# KiCad board MiniMastermindPanel.kicad_pcb (continued)
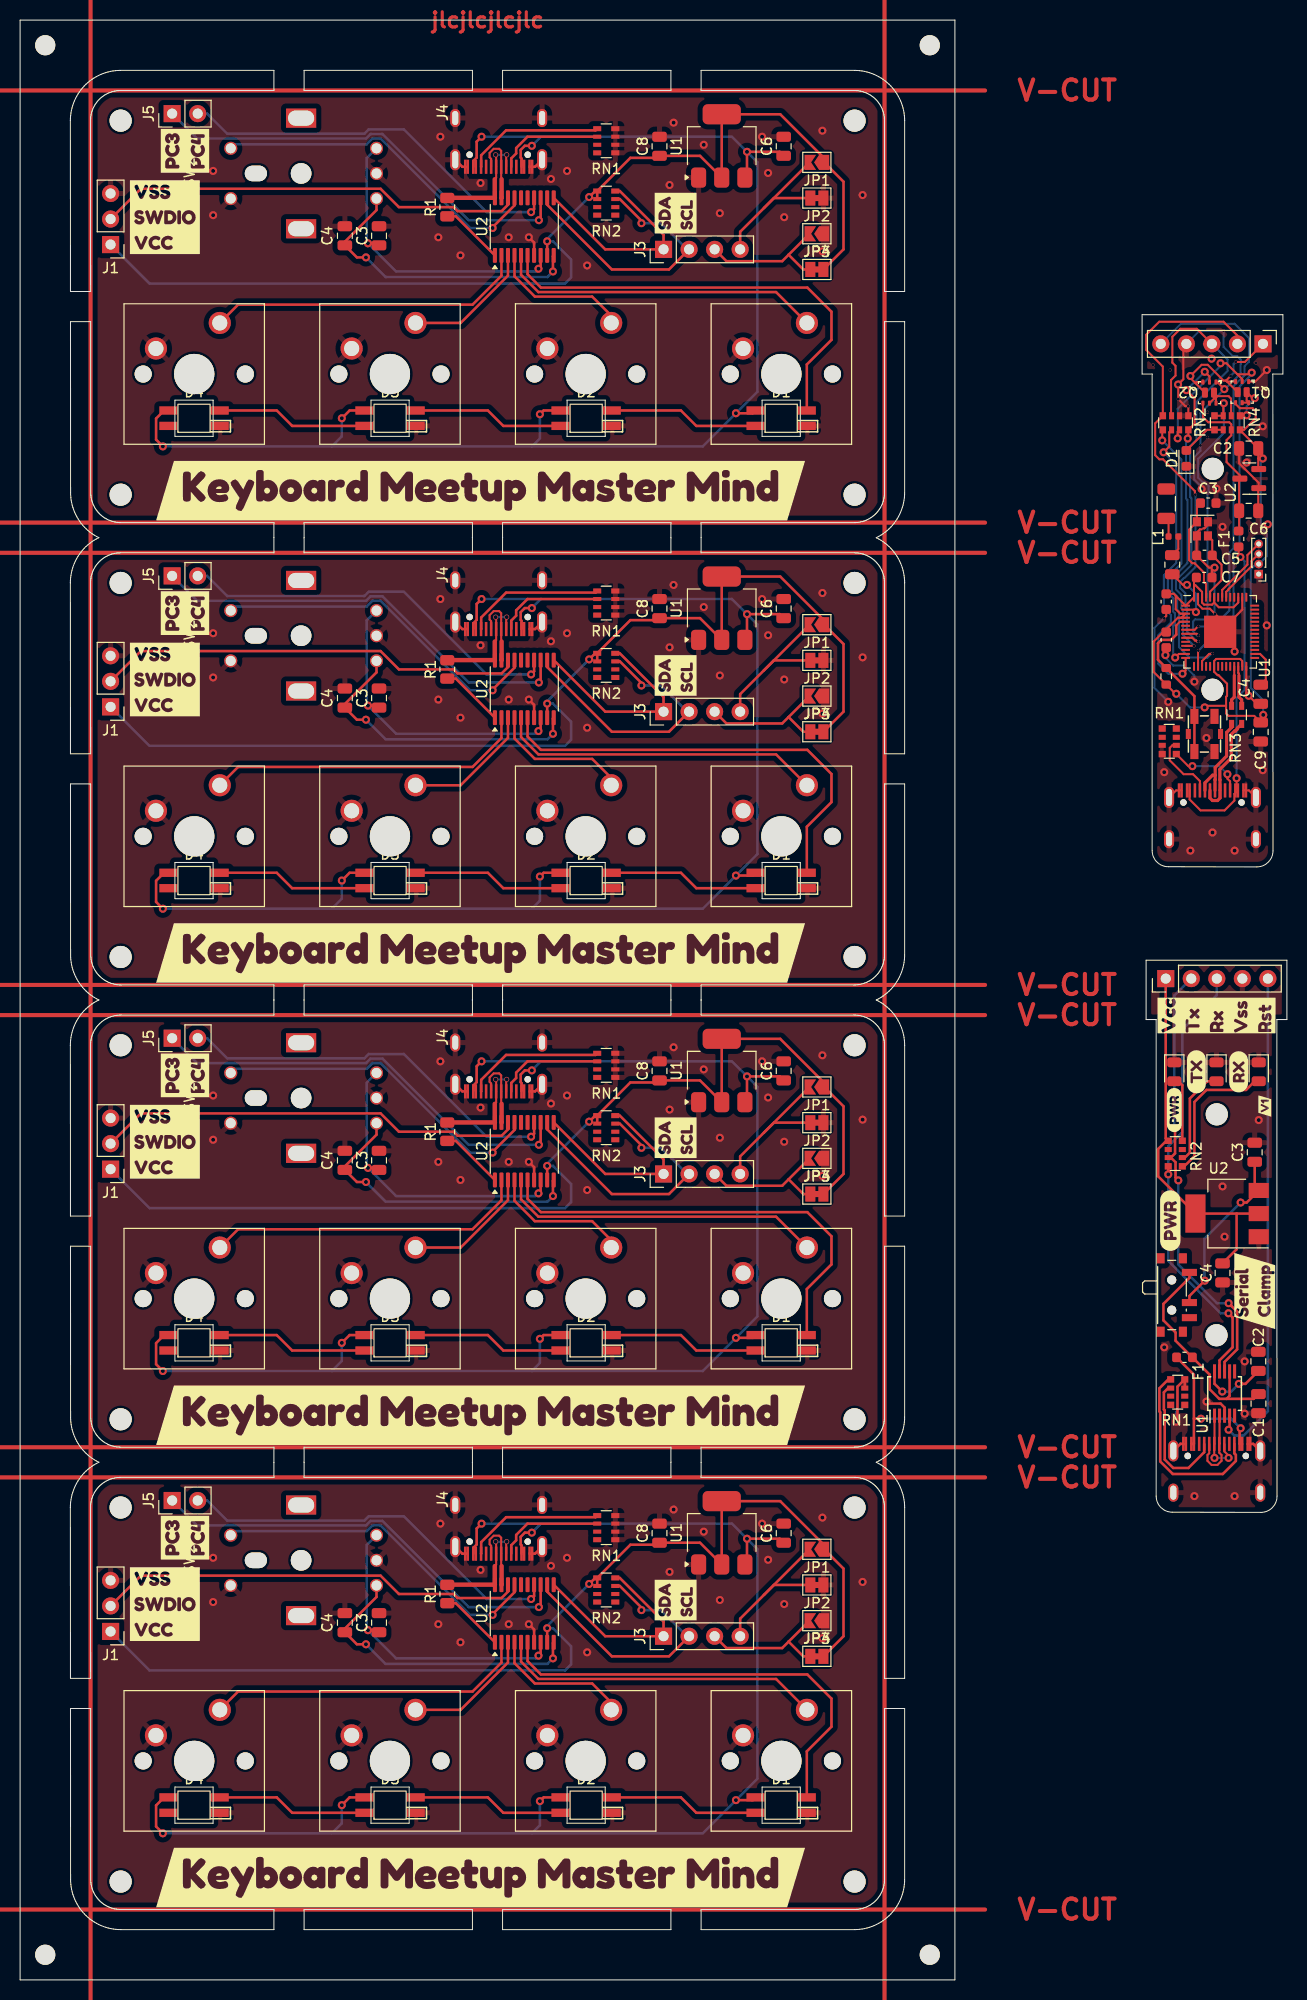
[diagram p0: board, top side]
## Nets
GND: C2.2 C3#2.1 C4#2.2 C5.1 C6#3.2 C7.2 C8#3.2 C9.2 C10.2 D1#5.1 J1#6.A1 J1#6.A12 J1#6.B1 J1#6.B12 J1#6.S1 J2.1 J4#5.4 Q1.1 Q2.1 RN1.3 RN1.4 RN2.5 RN2.6 SW2#3.1 SW2#3.2 U1#3.28 U1#3.44 U1#3.55 U1#3.57 U2#4.1 Y1.2 Y1.4
VBUS: C6#3.1 F1#2.2 Q2.4 RN4.3 U2#4.3
VCC: C4#6.1 J2#2.1 RN2#5.1 U2.2
VCC003: J4#5.1 Q1.3 Q1.8 Q2.3 Q2.8
VCCCTL3: Q1.2 RN2.3 U1#3.16
VCCCTL5: Q2.2 RN2.4 U1#3.17
VDD: C2.1 C7.1 C8#3.1 C9.1 C10.1 J2.2 Q1.4 R5.1 RN4.4 U1#3.1 U1#3.3 U1#3.4 U1#3.20 U1#3.27 U1#3.45 U1#3.51 U1#3.54 U1#3.56 U2#4.2
VSS: C1#2.2 C2#2.2 C3#3.2 C4#6.2 D1.1 D2#4.1 D3#5.1 J1#3.A1 J1#3.A12 J1#3.B1 J1#3.B12 J1#3.S1 J2#2.4 RN1#2.3 RN1#2.4 U1#6.3 U2.1
Board_0-+5V: C6#5.1 D1#2.1 D2#2.1 D3.1 D4#3.1 J4#4.A4 J4#4.A9 J4#4.B4 J4#4.B9 U1#2.3
Board_0-/RotaryA: C3#4.1 SW2#4.B U2#6.8
Board_0-/RotaryB: C4#4.2 SW2#4.A U2#6.10
Board_0-/RotaryS: SW2#4.S2 U2#6.17
Board_0-D+: J4#4.A6 J4#4.B6 U2#6.19
Board_0-D-: J4#4.A7 J4#4.B7 R1#2.2 U2#6.20
Board_0-DPU: R1#2.1 U2#6.1
Board_0-Net-(D1-DOUT): D1#2.2 D2#2.4
Board_0-Net-(D2-DOUT): D2#2.2 D3.4
Board_0-Net-(D3-DOUT): D3.2 D4#3.4
Board_0-Net-(J3-Pin_3): J3#2.3 JP3#3.2 JP4#4.1
Board_0-Net-(J3-Pin_4): J3#2.4 JP1#2.2 JP2.2
Board_0-Net-(J4-CC1): J4#4.A5 RN1#3.6
Board_0-Net-(J4-CC2): J4#4.B5 RN1#3.5
Board_0-PA1: SW5.1 U2#6.5
Board_0-PA2: D1#2.4 U2#6.6
Board_0-PC3: J5#3.1 U2#6.13
Board_0-PC4: J5#3.2 U2#6.14
Board_0-PD5: SW1#3.1 U2#6.2
Board_0-PD6: SW3#2.1 U2#6.3
Board_0-PD7: SW4#2.1 U2#6.4
Board_0-SCL: J3#2.2 RN2#3.3 U2#6.12
Board_0-SDA: J3#2.1 RN2#3.4 U2#6.11
Board_0-SWIO: J1.2 U2#6.18
Board_0-unconnected-(D4-DOUT-Pad2): D4#3.2
Board_0-unconnected-(J4-SBU1-PadA8): J4#4.A8
Board_0-unconnected-(J4-SBU2-PadB8): J4#4.B8
Board_0-unconnected-(RN1-R1.2-Pad8): RN1#3.8
Board_0-unconnected-(RN1-R2.2-Pad7): RN1#3.7
Board_0-unconnected-(RN2-R1.1-Pad1): RN2#3.1
Board_0-unconnected-(RN2-R1.2-Pad8): RN2#3.8
Board_0-unconnected-(RN2-R2.1-Pad2): RN2#3.2
Board_0-unconnected-(RN2-R2.2-Pad7): RN2#3.7
Board_0-unconnected-(U2-PC5-Pad15): U2#6.15
Board_0-unconnected-(U2-PC6-Pad16): U2#6.16
Board_0-VCC: C8#2.1 J1.1 JP1#2.1 JP4#4.2 RN2#3.5 RN2#3.6 U1#2.2 U2#6.9
Board_0-VSS: C3#4.2 C4#4.1 C6#5.2 C8#2.2 D1#2.3 D2#2.3 D3.3 D4#3.3 J1.3 J4#4.A1 J4#4.A12 J4#4.B1 J4#4.B12 J4#4.S1 JP2.1 JP3#3.1 RN1#3.1 RN1#3.2 RN1#3.3 RN1#3.4 SW1#3.2 SW2#4.C SW2#4.S1 SW3#2.2 SW4#2.2 SW5.2 U1#2.1 U2#6.7
Board_1-+5V: C6#2.1 D1#6.1 D2#3.1 D3#3.1 D4#4.1 J4#2.A4 J4#2.A9 J4#2.B4 J4#2.B9 U1#5.3
Board_1-/RotaryA: C3#5.1 SW2.B U2#3.8
Board_1-/RotaryB: C4.2 SW2.A U2#3.10
Board_1-/RotaryS: SW2.S2 U2#3.17
Board_1-D+: J4#2.A6 J4#2.B6 U2#3.19
Board_1-D-: J4#2.A7 J4#2.B7 R1#4.2 U2#3.20
Board_1-DPU: R1#4.1 U2#3.1
Board_1-Net-(D1-DOUT): D1#6.2 D2#3.4
Board_1-Net-(D2-DOUT): D2#3.2 D3#3.4
Board_1-Net-(D3-DOUT): D3#3.2 D4#4.4
Board_1-Net-(J3-Pin_3): J3#4.3 JP3#2.2 JP4#3.1
Board_1-Net-(J3-Pin_4): J3#4.4 JP1.2 JP2#4.2
Board_1-Net-(J4-CC1): J4#2.A5 RN1#6.6
Board_1-Net-(J4-CC2): J4#2.B5 RN1#6.5
Board_1-PA1: SW5#3.1 U2#3.5
Board_1-PA2: D1#6.4 U2#3.6
Board_1-PC3: J5#4.1 U2#3.13
Board_1-PC4: J5#4.2 U2#3.14
Board_1-PD5: SW1#4.1 U2#3.2
Board_1-PD6: SW3#3.1 U2#3.3
Board_1-PD7: SW4.1 U2#3.4
Board_1-SCL: J3#4.2 RN2#4.3 U2#3.12
Board_1-SDA: J3#4.1 RN2#4.4 U2#3.11
Board_1-SWIO: J1#4.2 U2#3.18
Board_1-unconnected-(D4-DOUT-Pad2): D4#4.2
Board_1-unconnected-(J4-SBU1-PadA8): J4#2.A8
Board_1-unconnected-(J4-SBU2-PadB8): J4#2.B8
Board_1-unconnected-(RN1-R1.2-Pad8): RN1#6.8
Board_1-unconnected-(RN1-R2.2-Pad7): RN1#6.7
Board_1-unconnected-(RN2-R1.1-Pad1): RN2#4.1
Board_1-unconnected-(RN2-R1.2-Pad8): RN2#4.8
Board_1-unconnected-(RN2-R2.1-Pad2): RN2#4.2
Board_1-unconnected-(RN2-R2.2-Pad7): RN2#4.7
Board_1-unconnected-(U2-PC5-Pad15): U2#3.15
Board_1-unconnected-(U2-PC6-Pad16): U2#3.16
Board_1-VCC: C8#5.1 J1#4.1 JP1.1 JP4#3.2 RN2#4.5 RN2#4.6 U1#5.2 U2#3.9
Board_1-VSS: C3#5.2 C4.1 C6#2.2 C8#5.2 D1#6.3 D2#3.3 D3#3.3 D4#4.3 J1#4.3 J4#2.A1 J4#2.A12 J4#2.B1 J4#2.B12 J4#2.S1 JP2#4.1 JP3#2.1 RN1#6.1 RN1#6.2 RN1#6.3 RN1#6.4 SW1#4.2 SW2.C SW2.S1 SW3#3.2 SW4.2 SW5#3.2 U1#5.1 U2#3.7
Board_2-+5V: C6.1 D1#4.1 D2.1 D3#4.1 D4#2.1 J4#3.A4 J4#3.A9 J4#3.B4 J4#3.B9 U1.3
Board_2-/RotaryA: C3.1 SW2#2.B U2#5.8
Board_2-/RotaryB: C4#3.2 SW2#2.A U2#5.10
Board_2-/RotaryS: SW2#2.S2 U2#5.17
Board_2-D+: J4#3.A6 J4#3.B6 U2#5.19
Board_2-D-: J4#3.A7 J4#3.B7 R1#3.2 U2#5.20
Board_2-DPU: R1#3.1 U2#5.1
Board_2-Net-(D1-DOUT): D1#4.2 D2.4
Board_2-Net-(D2-DOUT): D2.2 D3#4.4
Board_2-Net-(D3-DOUT): D3#4.2 D4#2.4
Board_2-Net-(J3-Pin_3): J3.3 JP3.2 JP4#2.1
Board_2-Net-(J3-Pin_4): J3.4 JP1#3.2 JP2#2.2
Board_2-Net-(J4-CC1): J4#3.A5 RN1#4.6
Board_2-Net-(J4-CC2): J4#3.B5 RN1#4.5
Board_2-PA1: SW5#4.1 U2#5.5
Board_2-PA2: D1#4.4 U2#5.6
Board_2-PC3: J5#2.1 U2#5.13
Board_2-PC4: J5#2.2 U2#5.14
Board_2-PD5: SW1#5.1 U2#5.2
Board_2-PD6: SW3#4.1 U2#5.3
Board_2-PD7: SW4#4.1 U2#5.4
Board_2-SCL: J3.2 RN2#2.3 U2#5.12
Board_2-SDA: J3.1 RN2#2.4 U2#5.11
Board_2-SWIO: J1#5.2 U2#5.18
Board_2-unconnected-(D4-DOUT-Pad2): D4#2.2
Board_2-unconnected-(J4-SBU1-PadA8): J4#3.A8
Board_2-unconnected-(J4-SBU2-PadB8): J4#3.B8
Board_2-unconnected-(RN1-R1.2-Pad8): RN1#4.8
Board_2-unconnected-(RN1-R2.2-Pad7): RN1#4.7
Board_2-unconnected-(RN2-R1.1-Pad1): RN2#2.1
Board_2-unconnected-(RN2-R1.2-Pad8): RN2#2.8
Board_2-unconnected-(RN2-R2.1-Pad2): RN2#2.2
Board_2-unconnected-(RN2-R2.2-Pad7): RN2#2.7
Board_2-unconnected-(U2-PC5-Pad15): U2#5.15
Board_2-unconnected-(U2-PC6-Pad16): U2#5.16
Board_2-VCC: C8.1 J1#5.1 JP1#3.1 JP4#2.2 RN2#2.5 RN2#2.6 U1.2 U2#5.9
Board_2-VSS: C3.2 C4#3.1 C6.2 C8.2 D1#4.3 D2.3 D3#4.3 D4#2.3 J1#5.3 J4#3.A1 J4#3.A12 J4#3.B1 J4#3.B12 J4#3.S1 JP2#2.1 JP3.1 RN1#4.1 RN1#4.2 RN1#4.3 RN1#4.4 SW1#5.2 SW2#2.C SW2#2.S1 SW3#4.2 SW4#4.2 SW5#4.2 U1.1 U2#5.7
Board_3-+5V: C6#4.1 D1#3.1 D2#5.1 D3#2.1 D4.1 J4.A4 J4.A9 J4.B4 J4.B9 U1#4.3
Board_3-/RotaryA: C3#6.1 SW2#5.B U2#2.8
Board_3-/RotaryB: C4#5.2 SW2#5.A U2#2.10
Board_3-/RotaryS: SW2#5.S2 U2#2.17
Board_3-D+: J4.A6 J4.B6 U2#2.19
Board_3-D-: J4.A7 J4.B7 R1.2 U2#2.20
Board_3-DPU: R1.1 U2#2.1
Board_3-Net-(D1-DOUT): D1#3.2 D2#5.4
Board_3-Net-(D2-DOUT): D2#5.2 D3#2.4
Board_3-Net-(D3-DOUT): D3#2.2 D4.4
Board_3-Net-(J3-Pin_3): J3#3.3 JP3#4.2 JP4.1
Board_3-Net-(J3-Pin_4): J3#3.4 JP1#4.2 JP2#3.2
Board_3-Net-(J4-CC1): J4.A5 RN1#5.6
Board_3-Net-(J4-CC2): J4.B5 RN1#5.5
Board_3-PA1: SW5#2.1 U2#2.5
Board_3-PA2: D1#3.4 U2#2.6
Board_3-PC3: J5.1 U2#2.13
Board_3-PC4: J5.2 U2#2.14
Board_3-PD5: SW1#2.1 U2#2.2
Board_3-PD6: SW3.1 U2#2.3
Board_3-PD7: SW4#3.1 U2#2.4
Board_3-SCL: J3#3.2 RN2#6.3 U2#2.12
Board_3-SDA: J3#3.1 RN2#6.4 U2#2.11
Board_3-SWIO: J1#2.2 U2#2.18
Board_3-unconnected-(D4-DOUT-Pad2): D4.2
Board_3-unconnected-(J4-SBU1-PadA8): J4.A8
Board_3-unconnected-(J4-SBU2-PadB8): J4.B8
Board_3-unconnected-(RN1-R1.2-Pad8): RN1#5.8
Board_3-unconnected-(RN1-R2.2-Pad7): RN1#5.7
Board_3-unconnected-(RN2-R1.1-Pad1): RN2#6.1
Board_3-unconnected-(RN2-R1.2-Pad8): RN2#6.8
Board_3-unconnected-(RN2-R2.1-Pad2): RN2#6.2
Board_3-unconnected-(RN2-R2.2-Pad7): RN2#6.7
Board_3-unconnected-(U2-PC5-Pad15): U2#2.15
Board_3-unconnected-(U2-PC6-Pad16): U2#2.16
Board_3-VCC: C8#4.1 J1#2.1 JP1#4.1 JP4.2 RN2#6.5 RN2#6.6 U1#4.2 U2#2.9
Board_3-VSS: C3#6.2 C4#5.1 C6#4.2 C8#4.2 D1#3.3 D2#5.3 D3#2.3 D4.3 J1#2.3 J4.A1 J4.A12 J4.B1 J4.B12 J4.S1 JP2#3.1 JP3#4.1 RN1#5.1 RN1#5.2 RN1#5.3 RN1#5.4 SW1#2.2 SW2#5.C SW2#5.S1 SW3.2 SW4#3.2 SW5#2.2 U1#4.1 U2#2.7
D2+: RN3.3 U1#3.26
D2-: RN3.4 U1#3.25
D+: J1#3.A6 J1#3.B6 J1#6.A6 J1#6.B6 RN3.2 U1#6.1
D-: J1#3.A7 J1#3.B7 J1#6.A7 J1#6.B7 RN3.1 U1#6.2
DAC1: U1#3.23
DAC2: U1#3.24
GPIO0: R5.2 SW2#3.3 SW2#3.4 U1#3.5
MULTI2: J4#5.5 U1#3.7
ProgAct: RN4.7 RN4.8 U1#3.8
Reset: J2#2.5 U1#6.4
RX: J2.4 J2#2.3 RN2#5.4 U1#3.49 U1#6.9
SWCL: J4#5.2 RN2.8 U1#3.9
SWIO: J4#5.3 RN2.7 U1#3.11
SWPUC: RN2.1 U1#3.13
SWPUD: RN2.2 U1#3.14
TX: J2.3 J2#2.2 RN2#5.3 U1#3.48 U1#6.8
VUSB: C1#2.1 F1.2 SW1.1 U1#6.7
WSO: U1#3.19
Net-(A1-Pad1): A1.1 L1.1
Net-(C1-Pad1): C1.1 L1.2
Net-(D1-A): D1.2 D1#5.2 RN2#5.5 RN4.1 RN4.2
Net-(D2-A): D2#4.2 RN2#5.6
Net-(D3-A): D3#5.2 RN2#5.8
Net-(F1-Pad1): F1.1 F1#2.1 J1#3.A4 J1#3.A9 J1#3.B4 J1#3.B9 J1#6.A4 J1#6.A9 J1#6.B4 J1#6.B9
Net-(J1-CC1): J1#3.A5 J1#6.A5 RN1.6 RN1#2.6
Net-(J1-CC2): J1#3.B5 J1#6.B5 RN1.5 RN1#2.5
Net-(Q1-G2): Q1.5 Q1.6 Q1.7 RN4.5
Net-(Q2-G2): Q2.5 Q2.6 Q2.7 RN4.6
Net-(SW1-B): C3#3.1 SW1.2 U2.3
Net-(U1-LNA_IN): C1.2 U1#3.2
Net-(U1-V3): C2#2.1 U1#6.10
Net-(U1-VDD_SPI): C4#2.1 U1#3.30
Net-(U1-XTAL_N): C5.2 U1#3.52 Y1.3
Net-(U1-XTAL_P): C3#2.2 U1#3.53 Y1.1

Pads without a net: A1 2; J1#3 A8 B8; J1#6 A8 B8; RN1 1 2 7 8; RN1#2 1 2 7 8; RN2#5 2 7; SW1 3; U1#3 6 10 12 15 18 21 22 29 31 32 33 34 35 36 37 38 39 40 41 42 43 46 47 50; U1#6 5 6

## Via types
v1: diameter 0.8, hole 0.4, Top to Bottom, 223 vias
v2: diameter 0.5, hole 0.4, Top to Bottom, 8 vias
v3: diameter 0.3, hole 0.35, Top to Bottom, 21 vias

## Routing (per net, layer and track width the routed paths; a pad name or vN(x,y) marks a point on that pad's centre or on a via; arc(x,y) is an arc through that point)
GND: length 88.5
  Top w0.2: RN2.5 v3(116.2,156.51) 115.9,156.51 v3(115.2,157.21) 115.2,158.65 v1(115.18,158.67) 115.7,159.19 115.7,162.41 J4#5.4 ; U1#3.55 117.16,136.82 117.6,136.38 118.34,136.38 v3(118.85,135.86) 119.36,135.35 U1#3.57 ; U1#3.57 121.56,136.28 U1#3.44 ; U1#3.57 120.8,132.64 v1(120.8,132.11) ; 117.53,144.26 117.35,144.26 117.05,143.96 Y1.2 117.03,143.59 C5.1 118.24,140.46 v1(118.8,140.46) 118.8,140.4 118.55,140.15 C7.2 ; Q1.1 122.85,158.96 v1(124,160.11) ; v1(119.78,158.21) 119.08,158.91 Q2.1 ; J1#6.S1 122.22,118.3 J1#6.B1 ; v1(113.92,131.76) 114,131.84 C10.2 ; Y1.4 118.15,144.71 117.8,144.36 117.67,144.36 ; C6#3.2 123.15,148.31 U2#4.1 123.2,148.89 121.25,150.84 C2.2 ; C4#2.2 123,126.91 v1(122.2,127.71) 121.96,127.95 U1#3.28 ; J1#6.B12 114.98,118.3 J1#6.S1 ; C8#3.2 114,135.65 113.8,135.45 v3(113.8,135.41) 113.77,135.41 113.76,135.41
  Bottom w0.2: v1(118.51,161.24) 118.37,161.24 ; v3(118.85,135.86) 118.8,135.91 v1(118.8,140.46) ; v1(117.52,148.27) 117.52,148.5 116.78,149.24 116.78,151.45 117.4,152.08 v3(117.4,152.61) 117.4,155.84 v1(119.78,158.21) 119.84,158.21 121.4,159.77 121.4,160.67 121.43,160.7 121.43,161.13 121.04,161.51 120.6,161.51 119.7,162.41 v3(119.7,164.01) 117.3,164.01 J4#5.4 ; v1(116.8,129.11) 116.8,129.71 115.8,130.71 114.7,130.71 113.92,131.49 v1(113.92,131.76) ; v1(114.2,127.11) 112.82,128.5 112.82,134.46 113.76,135.41
  vias: v1(113.8,120.11) v1(116.4,112.31) v1(118,123.51) v1(118.6,114.11) v1(119,148.31) v1(119.6,144.51) v1(120.8,112.31) v1(122,150.91) v1(123.6,154.51) v1(123.6,120.31) v1(124,134.71) v1(124.1,144.76) v3(112.7,160.61) v3(114.4,160.11) v3(118.1,155.91) v3(118.1,153.41) v3(122.3,144.11) v3(122.9,160.81)
VBUS: length 15.9
  Top w0.2: F1#2.2 121.25,144.15 C6#3.1 121.25,149.24 U2#4.3 121.32,149.64 120,150.96 120,153.14 120.47,153.61 RN4.3 120.47,154.71 120.27,154.91 118.18,154.91 117.65,155.44 Q2.4
VCC: length 37.4
  Top w0.25: J2#2.1 113.95,83.7 RN2#5.1 114.01,83.45 113.2,82.64 113.2,79.91 U2.2 121,76.21 ; 121,76.21 U2.2 ; 121,76.21 121,72.66 C4#6.1
VCC003: length 16.3
  Top w0.2: Q1.8 119.95,159.06 ; 119.95,159.06 119.69,159.06 118.12,160.63 117.52,160.63 v1(116.4,159.51) 116.4,159.31 116.9,158.81 ; 119.95,159.06 120.05,158.96 Q1.3 ; 119.95,159.06 v3(120.4,159.51) ; 116.9,158.81 117,158.91 Q2.3 ; 116.9,158.81 Q2.8 ; J4#5.1 121.82,160.91 v3(120.9,160.91)
  Bottom w0.2: v1(116.4,159.51) 116.4,159.75 ; v3(120.9,160.91) 120.7,160.71 120.7,159.81 v3(120.4,159.51)
VCCCTL3: length 46.2
  Top w0.2: 121.07,159.69 122.34,159.69 v1(122.5,159.85) ; 121.07,159.69 119.98,160.79 v1(119.4,160.79) ; 121.07,159.69 121.55,159.21 Q1.2 ; 117.22,132.21 117.22,132.21 v3(117.2,132.21) 117.2,132.19 117.16,132.15 U1#3.16 ; v1(115.14,153.32) 115.14,153.97 RN2.3
  Bottom w0.2: 117.22,132.21 120.7,135.69 120.7,141.2 120.68,141.22 120.68,141.8 121.3,142.43 121.3,158.48 122.5,159.68 v1(122.5,159.85) ; v1(119.4,160.79) 119.4,160.51 115.14,156.25 v1(115.14,153.32)
VCCCTL5: length 36.8
  Top w0.2: U1#3.17 117.56,131.17 118.27,131.88 v3(118.6,131.91) 118.48,131.88 ; v1(116.14,153.3) 116.2,153.36 RN2.4 116.82,154.78 116.82,157.29 v1(116.01,158.11) ; v1(117.83,159.93) 118.3,159.47 Q2.2
  Bottom w0.2: v1(116.14,153.3) 115.97,153.14 115.97,147.33 116.1,147.21 116.1,140.9 114.56,139.36 114.56,138.12 115.1,137.58 115.1,136.25 115.26,136.08 115.26,132.55 116.3,131.51 118.12,131.51 118.48,131.88 ; v1(116.01,158.11) v1(117.83,159.93)
VDD: length 84
  Top w0.2: 123.15,151.31 123.15,150.31 U2#4.2 ; 123.15,151.31 C2.1 121.34,154.12 RN4.4 121.74,154.16 122.9,155.33 122.9,156 122.59,156.31 121.32,156.31 120.9,156.73 Q1.4 ; 123.15,151.31 v1(123.6,151.31) ; 116.76,138.71 116.76,139.24 C7.1 ; 116.76,138.71 U1#3.56 U1#3.1 114.94,137.66 ; 116.76,138.71 116.9,138.71 117.56,138.05 U1#3.54 117.56,136.98 117.77,136.78 118.56,136.78 118.76,136.98 ; U1#3.45 121.16,136.98 120.69,136.51 119.23,136.51 118.76,136.98 ; v1(115,127.91) 114.91,127.91 R5.1 112.75,130.08 112.75,133.11 113.7,134.05 C10.1 114,134.32 115.16,135.48 115.2,135.48 ; v1(123.65,125.82) 123.65,125.31 C9.1 122.75,125.71 120.2,125.71 119.95,125.96 119.95,126.71 ; 119.95,126.71 119.95,127.61 120.05,127.71 120.05,128.92 119.2,129.76 119.1,129.76 118.76,130.11 118.76,131.17 118.97,131.38 121.36,131.38 121.56,131.17 U1#3.27 ; 119.95,126.71 117.97,126.71 v1(117.82,126.56) ; U1#3.51 118.76,136.98 ; C8#3.1 114.75,137.85 114.94,137.66 ; 115.2,135.48 115.53,135.48 U1#3.3 115.39,135.88 114.94,136.32 114.94,137.66 ; 115.2,135.48 U1#3.4
  Bottom w0.2: v1(117.82,126.56) 116.35,126.56 v1(115,127.91) ; v1(123.6,151.31) 123.4,151.11 123.4,144.42 124,143.82 124,141.6 123.22,140.81 J2.2 122.93,140.81 122.4,140.29 122.4,128.5 123.65,127.25 v1(123.65,125.82)
VSS: length 12.4
  Top w0.25: J1#3.B1 122.65,53.31 J1#3.S1 ; J1#3.B12 115.41,53.31 J1#3.S1 ; RN1#2.3 RN1#2.4 115.12,59 115.12,55.63 v1(115,55.51) ; U1#6.3 119.8,56.92 119.41,57.31 118.2,57.31 v1(118,57.51)
  Bottom w0.25: v1(115,55.51) 115,56.51
  vias: v1(113.8,62.91) v1(116.8,48.11) v1(119.6,78.91) v1(119.8,73.91) v1(120.8,48.11) v1(121.8,61.51) v1(121.8,56.31) v1(123.2,85.51)
Board_0-+5V: length 145
  Top w0.25: J4#4.A9 45.07,180.9 45.41,181.24 45.41,182.82 v1(45.9,183.31) ; J4#4.B9 49.88,181.15 49.79,181.24 49.79,182 50.2,182.41 v1(50.9,182.41) ; v1(32,155.31) 32.78,156.09 D3.1 ; U1#2.3 72.3,179.46 v1(72.3,181.81) 75.55,181.81 C6#5.1 ; v1(14.2,152.51) 13.53,153.19 13.53,155.29 14.33,156.09 D4#3.1 ; v1(51.7,155.71) 52.07,156.09 D2#2.1 ; D1#2.1 72.88,155.81 v1(71.2,155.81)
  Bottom w0.25: v1(51.7,155.71) 51.7,153.31 50.9,152.51 ; 51.8,183.31 70.8,183.31 v1(72.3,181.81) 73.34,180.78 73.34,157.95 v1(71.2,155.81) 67.9,152.51 50.9,152.51 ; 51.8,183.31 v1(45.9,183.31) ; 51.8,183.31 v1(50.9,182.41) ; v1(32,155.31) 32,153.51 31,152.51 ; 50.9,152.51 31,152.51 ; 31,152.51 v1(14.2,152.51)
Board_0-/RotaryA: length 30.7
  Top w0.25: C3#4.1 35.5,172.71 v1(34.6,172.71) ; v1(51.56,170.18) 51.78,170.4 U2#6.8
  Bottom w0.25: v1(51.56,170.18) 51.29,169.91 37.4,169.91 v1(34.6,172.71) 34.47,172.84 34.47,181.19 SW2#4.B
Board_0-/RotaryB: length 29.8
  Top w0.25: U2#6.10 53,171.44 v1(53,169.91) ; v1(34.4,171.31) 33.5,171.31 C4#4.2 32.3,172.87 35.45,176.02 SW2#4.A
  Bottom w0.25: v1(53,169.91) 52.45,169.36 36.35,169.36 v1(34.4,171.31)
Board_0-/RotaryS: length 34
  Top w0.25: U2#6.17 49.18,176.49 47,174.31 v1(47,174.24)
  Bottom w0.25: v1(47,174.24) 44.75,174.24 35.85,183.14 35.05,183.14 34.47,182.57 21.35,182.57 SW2#4.S2
Board_0-D+: length 7.5
  Top w0.2: J4#4.B6 46.85,181.12 46.7,181.27 46.7,181.71 47.1,182.11 47.65,182.11 47.85,181.91 J4#4.A6 47.85,179.13 47.89,179.09
  Top w0.43: U2#6.19 47.89,177.25 47.89,179.09
Board_0-D-: length 11.4
  Top w0.2: v2(48.4,181.52) 48.35,181.47 J4#4.B7 ; v2(47.3,181.51) 47.35,181.46 J4#4.A7 47.35,179.23 47.21,179.09
  Top w0.43: 47.21,179.09 47.21,177.25 U2#6.20 42.5,177.24 R1#2.2
  Bottom w0.2: v2(47.3,181.51) 48.39,181.51 v2(48.4,181.52)
Board_0-DPU: length 6.3
  Top w0.25: U2#6.1 43.34,175.4 R1#2.1
Board_0-Net-(D1-DOUT): length 14.9
  Top w0.25: D1#2.2 67.26,154.55 65.72,156.09 D2#2.4
Board_0-Net-(D2-DOUT): length 15
  Top w0.25: D3.4 46.53,156.09 48.06,154.55 D2#2.2
Board_0-Net-(D3-DOUT): length 15
  Top w0.25: D4#3.4 25.53,156.09 27.06,154.55 D3.2
Board_0-Net-(J3-Pin_3): length 13.8
  Top w0.25: JP4#4.1 77.9,170.11 76.44,171.58 ; J3#2.3 70.25,170.94 75.8,170.94 76.44,171.58 ; 76.44,171.58 JP3#3.2
Board_0-Net-(J3-Pin_4): length 16.5
  Top w0.25: J3#2.4 71.62,173.86 73.99,176.23 ; JP1#2.2 73.99,176.23 ; 73.99,176.23 74.97,177.21 JP2.2
Board_0-Net-(J4-CC1): length 10.6
  Top w0.25: J4#4.A5 48.85,181.16 49.34,181.65 49.34,182.19 50.46,183.31 RN1#3.6
Board_0-Net-(J4-CC2): length 13.8
  Top w0.25: J4#4.B5 45.86,180.34 45.86,181.47 48.34,183.95 57.24,183.95 RN1#3.5
Board_0-PA1: length 32.3
  Top w0.25: U2#6.5 49.82,169.59 51.55,167.86 75.19,167.86 SW5.1
Board_0-PA2: length 44.5
  Top w0.25: U2#6.6 50.47,169.64 51.8,168.31 78.3,168.31 80.7,165.91 80.7,163.11 78.25,160.66 D1#2.4
Board_0-PC3: length 43.5
  Top w0.25: v1(51.6,175.01) 51.78,175.19 U2#6.13
  Bottom w0.25: J5#3.1 17.6,183.14 34.41,183.14 34.86,183.59 36.04,183.59 44.62,175.01 v1(51.6,175.01)
Board_0-PC4: length 39.1
  Top w0.25: v1(50.82,175.81) 51.12,176.11 U2#6.14
  Bottom w0.25: v1(50.82,175.81) 46.4,175.81 38.18,184.04 34.67,184.04 34.25,183.61 20.6,183.61 18.6,185.61 J5#3.2
Board_0-PD5: length 32
  Top w0.25: SW1#3.1 21.68,166.61 45,166.61 47.88,169.49 U2#6.2
Board_0-PD6: length 13.2
  Top w0.25: U2#6.3 48.53,169.5 43.82,164.79 SW3#2.1
Board_0-PD7: length 14
  Top w0.25: U2#6.4 49.18,169.44 51.2,167.41 56.9,167.41 58.79,165.52 SW4#2.1
Board_0-SCL: length 27.9
  Top w0.25: U2#6.12 52.43,176.55 58.86,170.11 64.54,170.11 J3#2.2 ; RN2#3.3 59.65,177.11 61.8,174.96 v1(61.8,174.71)
  Bottom w0.25: v1(61.8,174.71) 63.75,174.71 66.35,172.11 J3#2.2
Board_0-SDA: length 21.1
  Top w0.25: U2#6.11 58.2,172.11 J3#2.1 64,173.56 59.65,177.91 RN2#3.4
Board_0-SWIO: length 42.6
  Top w0.25: 9,175.13 12.01,178.14 35.85,178.14 37.68,176.31 43.11,176.31 43.51,175.91 47.89,175.91 48.53,176.55 U2#6.18
Board_0-VCC: length 107.7
  Top w0.25: RN2#3.5 57.2,177.91 v1(56.6,177.31) ; RN2#3.5 60.7,181.21 63.4,181.21 C8#2.1 67.62,181.41 U1#2.2 U1#2.2 75.6,185.55 79.97,181.18 JP1#2.1 81.9,178.84 81.9,172.11 JP4#4.2 ; RN2#3.5 RN2#3.6 ; 52.43,172.94 v1(52.43,172.91) U2#6.9
  Bottom w0.25: J1.1 12.88,168.71 54.2,168.71 54.8,169.31 54.8,171.11 53,172.91 v1(52.43,172.91) 52.43,173.14 v1(56.6,177.31)
Board_0-VSS: length 5.1
  Top w0.25: J4#4.S1 51.22,180.33 J4#4.B12 ; J4#4.B1 43.98,180.33 J4#4.S1 ; v1(50.6,173.31) 51.12,172.79 U2#6.7
  vias: v1(19.2,179.91) v1(19.2,175.51) v1(41.6,173.31) v1(41.8,183.31) v1(43.8,171.51) v1(45.8,178.71) v1(48.6,173.31) v1(52.8,179.11) v1(54.4,179.91) v1(56.4,170.51) v1(64.6,178.51) v1(65,184.71) v1(68,182.51) v1(69.6,175.71) v1(73.8,183.31) v1(74.4,179.71) v1(76,175.31) v1(79.8,183.91) v1(79.8,171.91) v1(83.8,177.51)
Board_1-+5V: length 145
  Top w0.25: v1(71.2,109.84) 72.88,109.84 D1#6.1 ; v1(50.9,136.44) 50.2,136.44 49.79,136.03 49.79,135.26 49.88,135.17 J4#2.B9 ; U1#5.3 72.3,133.49 v1(72.3,135.84) 75.55,135.84 C6#2.1 ; v1(51.7,109.74) 52.07,110.11 D2#3.1 ; D4#4.1 14.33,110.11 13.53,109.31 13.53,107.21 v1(14.2,106.54) ; v1(32,109.34) 32.78,110.11 D3#3.1 ; J4#2.A9 45.07,134.92 45.41,135.26 45.41,136.85 v1(45.9,137.34)
  Bottom w0.25: v1(50.9,136.44) 51.8,137.34 ; 51.8,137.34 70.8,137.34 v1(72.3,135.84) 73.34,134.8 73.34,111.97 v1(71.2,109.84) 67.9,106.54 50.9,106.54 ; 51.8,137.34 v1(45.9,137.34) ; v1(51.7,109.74) 51.7,107.34 50.9,106.54 ; 50.9,106.54 31,106.54 ; 31,106.54 32,107.54 v1(32,109.34) ; 31,106.54 v1(14.2,106.54)
Board_1-/RotaryA: length 30.7
  Top w0.25: C3#5.1 35.5,126.74 v1(34.6,126.74) ; U2#3.8 51.78,124.42 v1(51.56,124.21)
  Bottom w0.25: v1(51.56,124.21) 51.29,123.94 37.4,123.94 v1(34.6,126.74) 34.47,126.86 34.47,135.21 SW2.B
Board_1-/RotaryB: length 29.8
  Top w0.25: v1(34.4,125.34) 33.5,125.34 C4.2 32.3,126.89 35.45,130.04 SW2.A ; U2#3.10 53,125.46 v1(53,123.94)
  Bottom w0.25: v1(53,123.94) 52.45,123.39 36.35,123.39 v1(34.4,125.34)
Board_1-/RotaryS: length 34
  Top w0.25: v1(47,128.26) 47,128.34 49.18,130.51 U2#3.17
  Bottom w0.25: SW2.S2 21.35,136.59 34.47,136.59 35.05,137.16 35.85,137.16 44.75,128.26 v1(47,128.26)
Board_1-D+: length 7.5
  Top w0.2: J4#2.B6 46.85,135.14 46.7,135.29 46.7,135.73 47.1,136.14 47.65,136.14 47.85,135.93 J4#2.A6 47.85,133.15 47.89,133.11
  Top w0.43: U2#3.19 47.89,131.28 47.89,133.11
Board_1-D-: length 11.4
  Top w0.2: v2(47.3,135.54) 47.35,135.49 J4#2.A7 47.35,133.25 47.21,133.11 ; J4#2.B7 48.35,135.49 v2(48.4,135.54)
  Top w0.43: 47.21,133.11 47.21,131.28 U2#3.20 42.5,131.26 R1#4.2
  Bottom w0.2: v2(47.3,135.54) 48.39,135.54 v2(48.4,135.54)
Board_1-DPU: length 6.3
  Top w0.25: U2#3.1 43.34,129.42 R1#4.1
Board_1-Net-(D1-DOUT): length 14.9
  Top w0.25: D1#6.2 67.26,108.58 65.72,110.11 D2#3.4
Board_1-Net-(D2-DOUT): length 15
  Top w0.25: D3#3.4 46.53,110.11 48.06,108.58 D2#3.2
Board_1-Net-(D3-DOUT): length 15
  Top w0.25: D3#3.2 27.06,108.58 25.53,110.11 D4#4.4
Board_1-Net-(J3-Pin_3): length 13.8
  Top w0.25: JP4#3.1 77.9,124.14 76.44,125.6 ; JP3#2.2 76.44,125.6 ; 76.44,125.6 75.8,124.96 70.25,124.96 J3#4.3
Board_1-Net-(J3-Pin_4): length 16.5
  Top w0.25: J3#4.4 71.62,127.88 73.99,130.25 ; JP2#4.2 74.97,131.24 73.99,130.25 ; 73.99,130.25 JP1.2
Board_1-Net-(J4-CC1): length 10.6
  Top w0.25: RN1#6.6 50.46,137.34 49.34,136.21 49.34,135.68 48.85,135.19 J4#2.A5
Board_1-Net-(J4-CC2): length 13.8
  Top w0.25: RN1#6.5 57.24,137.97 48.34,137.97 45.86,135.5 45.86,134.36 J4#2.B5
Board_1-PA1: length 32.3
  Top w0.25: U2#3.5 49.82,123.61 51.55,121.89 75.19,121.89 SW5#3.1
Board_1-PA2: length 44.5
  Top w0.25: U2#3.6 50.47,123.66 51.8,122.34 78.3,122.34 80.7,119.94 80.7,117.14 78.25,114.69 D1#6.4
Board_1-PC3: length 43.5
  Top w0.25: U2#3.13 51.78,129.21 v1(51.6,129.04)
  Bottom w0.25: J5#4.1 17.6,137.16 34.41,137.16 34.86,137.61 36.04,137.61 44.62,129.04 v1(51.6,129.04)
Board_1-PC4: length 39.1
  Top w0.25: v1(50.82,129.84) 51.12,130.14 U2#3.14
  Bottom w0.25: v1(50.82,129.84) 46.4,129.84 38.18,138.06 34.67,138.06 34.25,137.64 20.6,137.64 18.6,139.64 J5#4.2
Board_1-PD5: length 32
  Top w0.25: SW1#4.1 21.68,120.64 45,120.64 47.88,123.51 U2#3.2
Board_1-PD6: length 13.2
  Top w0.25: U2#3.3 48.53,123.52 43.82,118.82 SW3#3.1
Board_1-PD7: length 14
  Top w0.25: U2#3.4 49.18,123.46 51.2,121.44 56.9,121.44 58.79,119.54 SW4.1
Board_1-SCL: length 27.9
  Top w0.25: U2#3.12 52.43,130.57 58.86,124.14 64.54,124.14 J3#4.2 ; RN2#4.3 59.65,131.14 61.8,128.99 v1(61.8,128.74)
  Bottom w0.25: v1(61.8,128.74) 63.75,128.74 66.35,126.14 J3#4.2
Board_1-SDA: length 21.1
  Top w0.25: U2#3.11 58.2,126.14 J3#4.1 64,127.59 59.65,131.94 RN2#4.4
Board_1-SWIO: length 42.6
  Top w0.25: U2#3.18 48.53,130.57 47.89,129.94 43.51,129.94 43.11,130.34 37.68,130.34 35.85,132.16 12.01,132.16 J1#4.2
Board_1-VCC: length 107.7
  Top w0.25: RN2#4.5 RN2#4.6 ; RN2#4.5 57.2,131.94 v1(56.6,131.34) ; RN2#4.5 60.7,135.24 63.4,135.24 C8#5.1 67.62,135.44 U1#5.2 U1#5.2 75.6,139.57 79.97,135.2 JP1.1 81.9,132.86 81.9,126.14 JP4#3.2 ; U2#3.9 v1(52.43,126.94) 52.43,126.96
  Bottom w0.25: J1#4.1 12.88,122.74 54.2,122.74 54.8,123.34 54.8,125.14 53,126.94 v1(52.43,126.94) 52.43,127.16 v1(56.6,131.34)
Board_1-VSS: length 5.1
  Top w0.25: U2#3.7 51.12,126.81 v1(50.6,127.34) ; J4#2.B1 43.98,134.35 J4#2.S1 ; J4#2.S1 51.22,134.35 J4#2.B12
  vias: v1(19.2,133.94) v1(19.2,129.54) v1(41.6,127.34) v1(41.8,137.34) v1(43.8,125.54) v1(45.8,132.74) v1(48.6,127.34) v1(52.8,133.14) v1(54.4,133.94) v1(56.4,124.54) v1(64.6,132.54) v1(65,138.74) v1(68,136.54) v1(69.6,129.74) v1(73.8,137.34) v1(74.4,133.74) v1(76,129.34) v1(79.8,137.94) v1(79.8,125.94) v1(83.8,131.54)
Board_2-+5V: length 145
  Top w0.25: D2.1 52.07,64.13 v1(51.7,63.76) ; J4#3.B9 49.88,89.19 49.79,89.28 49.79,90.05 50.2,90.46 v1(50.9,90.46) ; v1(14.2,60.56) 13.53,61.23 13.53,63.33 14.33,64.13 D4#2.1 ; U1.3 72.3,87.51 v1(72.3,89.86) 75.55,89.86 C6.1 ; v1(32,63.36) 32.78,64.13 D3#4.1 ; D1#4.1 72.88,63.86 v1(71.2,63.86) ; v1(45.9,91.36) 45.41,90.87 45.41,89.28 45.07,88.94 J4#3.A9
  Bottom w0.25: 50.9,60.56 51.7,61.36 v1(51.7,63.76) ; 50.9,60.56 31,60.56 ; 50.9,60.56 67.9,60.56 v1(71.2,63.86) 73.34,65.99 73.34,88.82 v1(72.3,89.86) 70.8,91.36 51.8,91.36 ; 31,60.56 32,61.56 v1(32,63.36) ; 31,60.56 v1(14.2,60.56) ; v1(50.9,90.46) 51.8,91.36 ; 51.8,91.36 v1(45.9,91.36)
Board_2-/RotaryA: length 30.7
  Top w0.25: U2#5.8 51.78,78.44 v1(51.56,78.23) ; C3.1 35.5,80.76 v1(34.6,80.76)
  Bottom w0.25: SW2#2.B 34.47,89.23 34.47,80.88 v1(34.6,80.76) 37.4,77.96 51.29,77.96 v1(51.56,78.23)
Board_2-/RotaryB: length 29.8
  Top w0.25: SW2#2.A 35.45,84.06 32.3,80.91 C4#3.2 33.5,79.36 v1(34.4,79.36) ; v1(53,77.96) 53,79.48 U2#5.10
  Bottom w0.25: v1(34.4,79.36) 36.35,77.41 52.45,77.41 v1(53,77.96)
Board_2-/RotaryS: length 34
  Top w0.25: U2#5.17 49.18,84.53 47,82.36 v1(47,82.28)
  Bottom w0.25: SW2#2.S2 21.35,90.61 34.47,90.61 35.05,91.18 35.85,91.18 44.75,82.28 v1(47,82.28)
Board_2-D+: length 7.5
  Top w0.2: J4#3.B6 46.85,89.16 46.7,89.31 46.7,89.76 47.1,90.16 47.65,90.16 47.85,89.96 J4#3.A6 47.85,87.17 47.89,87.13
  Top w0.43: 47.89,87.13 47.89,85.3 U2#5.19
Board_2-D-: length 11.4
  Top w0.2: v2(47.3,89.56) 47.35,89.51 J4#3.A7 47.35,87.27 47.21,87.13 ; J4#3.B7 48.35,89.52 v2(48.4,89.56)
  Top w0.43: R1#3.2 42.5,85.28 U2#5.20 47.21,85.3 47.21,87.13
  Bottom w0.2: v2(47.3,89.56) 48.39,89.56 v2(48.4,89.56)
Board_2-DPU: length 6.3
  Top w0.25: R1#3.1 43.34,83.44 U2#5.1
Board_2-Net-(D1-DOUT): length 14.9
  Top w0.25: D2.4 65.72,64.13 67.26,62.6 D1#4.2
Board_2-Net-(D2-DOUT): length 15
  Top w0.25: D3#4.4 46.53,64.13 48.06,62.6 D2.2
Board_2-Net-(D3-DOUT): length 15
  Top w0.25: D3#4.2 27.06,62.6 25.53,64.13 D4#2.4
Board_2-Net-(J3-Pin_3): length 13.8
  Top w0.25: JP3.2 76.44,79.62 ; 76.44,79.62 77.9,78.16 JP4#2.1 ; 76.44,79.62 75.8,78.98 70.25,78.98 J3.3
Board_2-Net-(J3-Pin_4): length 16.5
  Top w0.25: 73.99,84.27 74.97,85.26 JP2#2.2 ; 73.99,84.27 JP1#3.2 ; 73.99,84.27 71.62,81.9 J3.4
Board_2-Net-(J4-CC1): length 10.6
  Top w0.25: J4#3.A5 48.85,89.21 49.34,89.7 49.34,90.23 50.46,91.36 RN1#4.6
Board_2-Net-(J4-CC2): length 13.8
  Top w0.25: J4#3.B5 45.86,88.38 45.86,89.52 48.34,91.99 57.24,91.99 RN1#4.5
Board_2-PA1: length 32.3
  Top w0.25: U2#5.5 49.82,77.63 51.55,75.91 75.19,75.91 SW5#4.1
Board_2-PA2: length 44.5
  Top w0.25: U2#5.6 50.47,77.68 51.8,76.36 78.3,76.36 80.7,73.96 80.7,71.16 78.25,68.71 D1#4.4
Board_2-PC3: length 43.5
  Top w0.25: v1(51.6,83.06) 51.78,83.23 U2#5.13
  Bottom w0.25: v1(51.6,83.06) 44.62,83.06 36.04,91.63 34.86,91.63 34.41,91.18 17.6,91.18 J5#2.1
Board_2-PC4: length 39.1
  Top w0.25: v1(50.82,83.86) 51.12,84.16 U2#5.14
  Bottom w0.25: v1(50.82,83.86) 46.4,83.86 38.18,92.08 34.67,92.08 34.25,91.66 20.6,91.66 18.6,93.66 J5#2.2
Board_2-PD5: length 32
  Top w0.25: SW1#5.1 21.68,74.66 45,74.66 47.88,77.53 U2#5.2
Board_2-PD6: length 13.2
  Top w0.25: U2#5.3 48.53,77.55 43.82,72.84 SW3#4.1
Board_2-PD7: length 14
  Top w0.25: U2#5.4 49.18,77.48 51.2,75.46 56.9,75.46 58.79,73.56 SW4#4.1
Board_2-SCL: length 27.9
  Top w0.25: U2#5.12 52.43,84.59 58.86,78.16 64.54,78.16 J3.2 ; v1(61.8,82.76) 61.8,83.01 59.65,85.16 RN2#2.3
  Bottom w0.25: J3.2 66.35,80.16 63.75,82.76 v1(61.8,82.76)
Board_2-SDA: length 21.1
  Top w0.25: U2#5.11 58.2,80.16 J3.1 64,81.61 59.65,85.96 RN2#2.4
Board_2-SWIO: length 42.6
  Top w0.25: J1#5.2 12.01,86.18 35.85,86.18 37.68,84.36 43.11,84.36 43.51,83.96 47.89,83.96 48.53,84.59 U2#5.18
Board_2-VCC: length 107.7
  Top w0.25: RN2#2.5 60.7,89.26 63.4,89.26 C8.1 67.62,89.46 U1.2 U1.2 75.6,93.59 79.97,89.22 JP1#3.1 81.9,86.88 81.9,80.16 JP4#2.2 ; RN2#2.5 RN2#2.6 ; RN2#2.5 57.2,85.96 v1(56.6,85.36) ; U2#5.9 v1(52.43,80.96) 52.43,80.98
  Bottom w0.25: v1(56.6,85.36) 52.43,81.18 v1(52.43,80.96) 53,80.96 54.8,79.16 54.8,77.36 54.2,76.76 12.88,76.76 J1#5.1
Board_2-VSS: length 5.1
  Top w0.25: J4#3.B1 43.98,88.37 J4#3.S1 ; v1(50.6,81.36) 51.12,80.83 U2#5.7 ; J4#3.B12 51.22,88.37 J4#3.S1
  vias: v1(19.2,87.96) v1(19.2,83.56) v1(41.6,81.36) v1(41.8,91.36) v1(43.8,79.56) v1(45.8,86.76) v1(48.6,81.36) v1(52.8,87.16) v1(54.4,87.96) v1(56.4,78.56) v1(64.6,86.56) v1(65,92.76) v1(68,90.56) v1(69.6,83.76) v1(73.8,91.36) v1(74.4,87.76) v1(76,83.36) v1(79.8,91.96) v1(79.8,79.96) v1(83.8,85.56)
Board_3-+5V: length 145
  Top w0.25: D2#5.1 52.07,18.15 v1(51.7,17.78) ; D3#2.1 32.78,18.15 v1(32,17.38) ; D4.1 14.33,18.15 13.53,17.35 13.53,15.25 v1(14.2,14.58) ; D1#3.1 72.88,17.88 v1(71.2,17.88) ; J4.A9 45.07,42.97 45.41,43.3 45.41,44.89 v1(45.9,45.38) ; U1#4.3 72.3,41.53 v1(72.3,43.88) 75.55,43.88 C6#4.1 ; J4.B9 49.88,43.22 49.79,43.3 49.79,44.07 50.2,44.48 v1(50.9,44.48)
  Bottom w0.25: 50.9,14.58 51.7,15.38 v1(51.7,17.78) ; 50.9,14.58 31,14.58 ; 50.9,14.58 67.9,14.58 v1(71.2,17.88) 73.34,20.01 73.34,42.84 v1(72.3,43.88) 70.8,45.38 51.8,45.38 ; 31,14.58 32,15.58 v1(32,17.38) ; 31,14.58 v1(14.2,14.58) ; v1(50.9,44.48) 51.8,45.38 ; 51.8,45.38 v1(45.9,45.38)
Board_3-/RotaryA: length 30.7
  Top w0.25: v1(34.6,34.78) 35.5,34.78 C3#6.1 ; U2#2.8 51.78,32.46 v1(51.56,32.25)
  Bottom w0.25: SW2#5.B 34.47,43.25 34.47,34.9 v1(34.6,34.78) 37.4,31.98 51.29,31.98 v1(51.56,32.25)
Board_3-/RotaryB: length 29.8
  Top w0.25: v1(34.4,33.38) 33.5,33.38 C4#5.2 32.3,34.93 35.45,38.08 SW2#5.A ; U2#2.10 53,33.5 v1(53,31.98)
  Bottom w0.25: v1(34.4,33.38) 36.35,31.43 52.45,31.43 v1(53,31.98)
Board_3-/RotaryS: length 34
  Top w0.25: v1(47,36.3) 47,36.38 49.18,38.55 U2#2.17
  Bottom w0.25: SW2#5.S2 21.35,44.63 34.47,44.63 35.05,45.2 35.85,45.2 44.75,36.3 v1(47,36.3)
Board_3-D+: length 7.5
  Top w0.2: 47.89,41.15 47.85,41.19 J4.A6 47.85,43.98 47.65,44.18 47.1,44.18 46.7,43.78 46.7,43.33 46.85,43.18 J4.B6
  Top w0.43: U2#2.19 47.89,39.32 47.89,41.15
Board_3-D-: length 11.4
  Top w0.2: v2(48.4,43.59) 48.35,43.54 J4.B7 ; v2(47.3,43.58) 47.35,43.53 J4.A7 47.35,41.29 47.21,41.15
  Top w0.43: 47.21,41.15 47.21,39.32 U2#2.20 42.5,39.3 R1.2
  Bottom w0.2: v2(48.4,43.59) 48.39,43.58 v2(47.3,43.58)
Board_3-DPU: length 6.3
  Top w0.25: R1.1 43.34,37.47 U2#2.1
